# KiCad board sensorboard.kicad_pcb (continued)
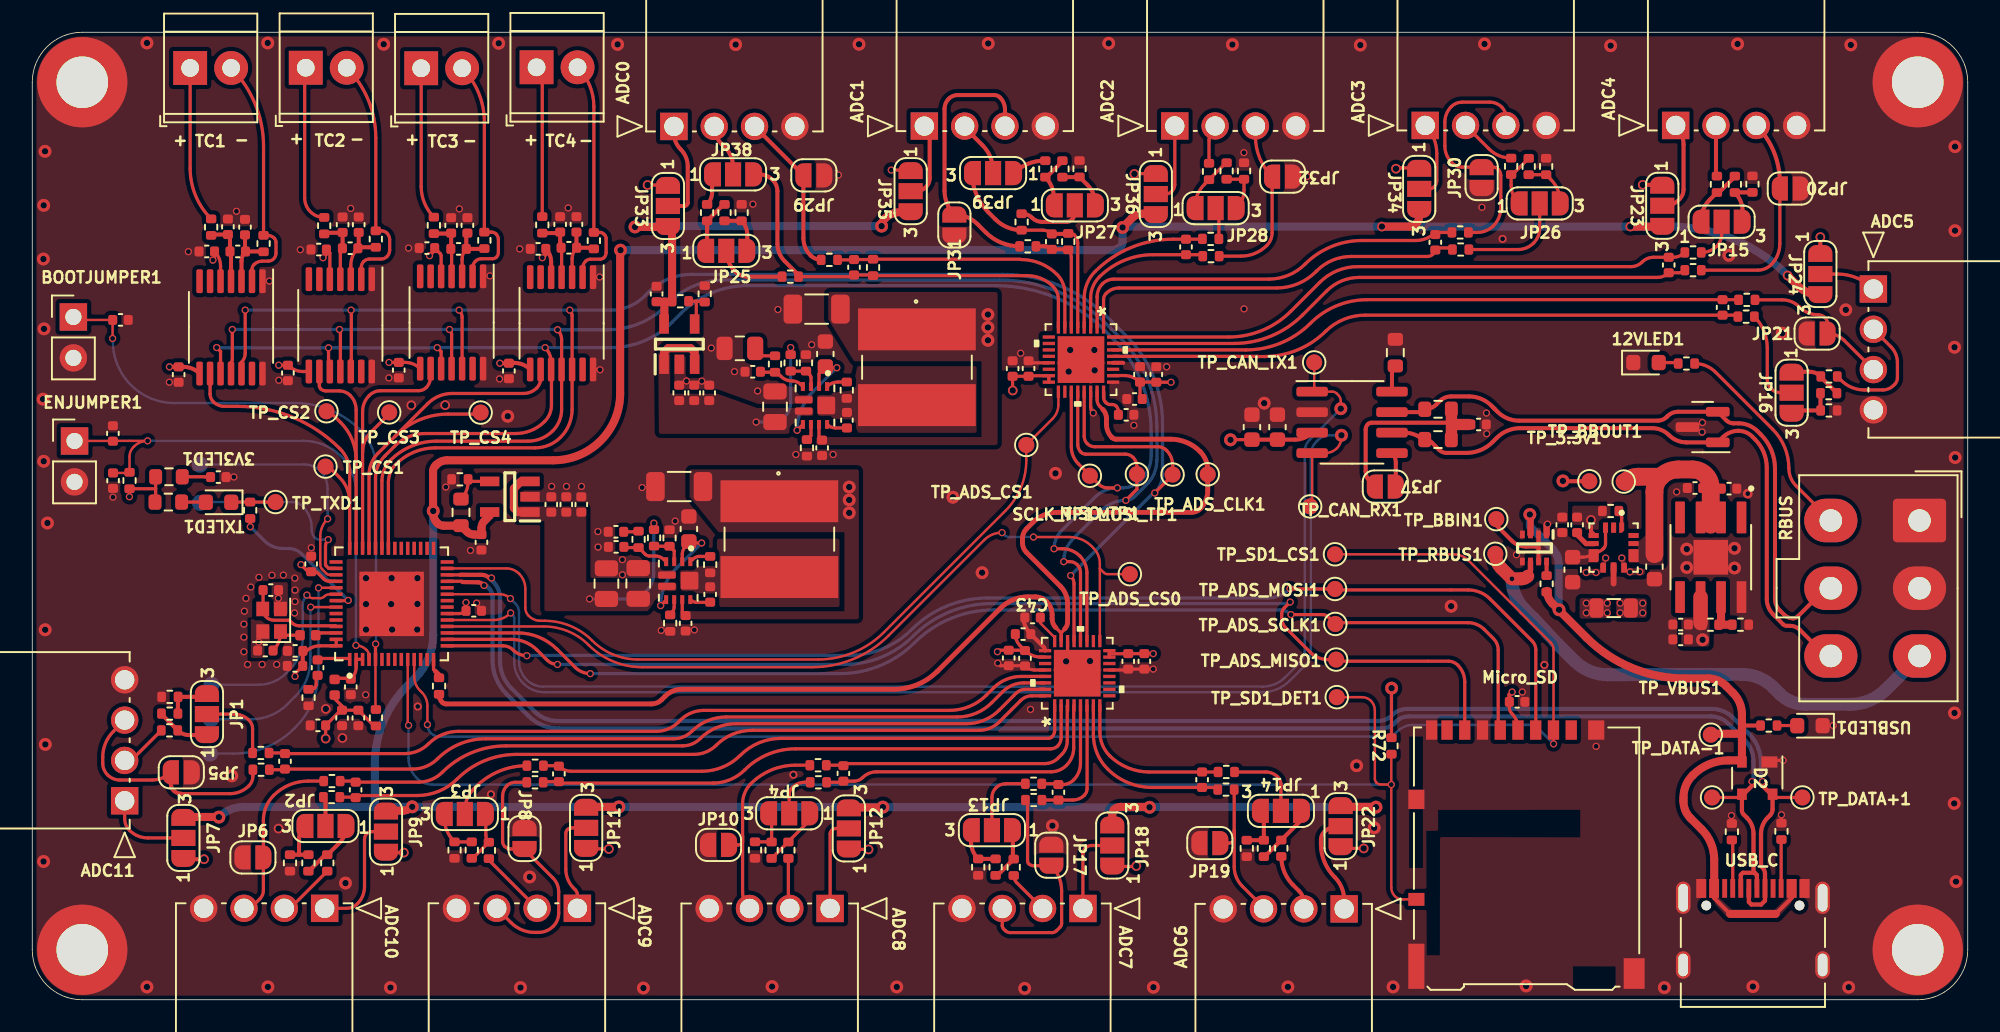
[diagram p0: board, top side]
## Library data of the parts
3V3LED1 12VLED1 TXLED1 USBLED1 = -: Description: Light emitting diode, small symbol
BOOTJUMPER1 ENJUMPER1 = -: Description: Generic connector, single row, 01x02, script generated (kicad-library-utils/schlib/autogen/connector/)
C1-C59 C61-C93 = -: Description: Unpolarized capacitor, small symbol
C60 = -: Description: Unpolarized capacitor
D2 = -: Description: TVS Diode Array, 5.5V Standoff, 3 Channels, SOT-143 package
D3 = -: Description: 7V/12V, 600W Asymmetrical TVS Diode Array, SOT-23
H1-H4 = -: Description: Mounting Hole with connection
IC1 IC2 = -: Description: LDO Voltage Regulators LDO CMOS LowCurr; Height: 1.45; Manufacturer_Name: Diodes Inc.; Mouser Part Number: 621-AP2205-W5-7; Mouser Price/Stock: https://www.mouser.co.uk/ProductDetail/Diodes-Incorporated/AP2205-W5-7?qs=EBDBlbfErPxiadLvD5FZyQ%3D%3D
IC3 IC4 = -: Description: 12.6-V, 7-A Fully-Integrated Synchronous Boost Converters in 2.0-mm x 2.5-mm VQFN Package; Arrow Price/Stock: https://www.arrow.com/en/products/tps61089rnrr/texas-instruments?region=nac; Manufacturer_Name: Texas Instruments; Mouser Part Number: 595-TPS61089RNRR; Mouser Price/Stock: https://www.mouser.co.uk/ProductDetail/Texas-Instruments/TPS61089RNRR?qs=G55MHhPmvtI%2Ft%2FkJeUeP3Q%3D%3D
J1 = -: Description: Generic connector, single row, 01x06, script generated (kicad-library-utils/schlib/autogen/connector/)
J3 = -: Field4: TIN_PLATING_BLACK_COLOUR; Field5: *; Field6: HDR_OF_NANOFIT,_SR,_R/A,_PWR_CONN_-4_CKT; Field7: 1053131104; Field8: NOTE; Field9: *
J4 = -: Field4: 1053131104; Field5: TIN_PLATING_BLACK_COLOUR; Field6: HDR_OF_NANOFIT,_SR,_R/A,_PWR_CONN_-4_CKT; Field7: *; Field8: Copyright 2021 Accelerated Designs. All rights reserved.; Field9: *
J5 = -: Field4: 1053131104; Field5: *; Field6: HDR_OF_NANOFIT,_SR,_R/A,_PWR_CONN_-4_CKT; Field7: TIN_PLATING_BLACK_COLOUR; Field8: Copyright 2021 Accelerated Designs. All rights reserved.; Field9: 1053131104; Field10: *
J6 = -: Field4: HDR_OF_NANOFIT,_SR,_R/A,_PWR_CONN_-4_CKT; Field5: *; Field6: TIN_PLATING_BLACK_COLOUR; Field7: 1053131104; Field8: Copyright 2021 Accelerated Designs. All rights reserved.; Field9: *; Field10: 1053131104
J7 = -: Field4: *; Field5: TIN_PLATING_BLACK_COLOUR; Field6: 1053131104; Field7: HDR_OF_NANOFIT,_SR,_R/A,_PWR_CONN_-4_CKT; Field8: Copyright 2021 Accelerated Designs. All rights reserved.; Field9: *; Field10: 1053131104
J8 = -: Field4: HDR_OF_NANOFIT,_SR,_R/A,_PWR_CONN_-4_CKT; Field5: TIN_PLATING_BLACK_COLOUR; Field6: *; Field7: 1053131104; Field8: Copyright 2021 Accelerated Designs. All rights reserved.; Field9: *; Field10: 1053131104
J9 = -: Field4: HDR_OF_NANOFIT,_SR,_R/A,_PWR_CONN_-4_CKT; Field5: 1053131104; Field6: TIN_PLATING_BLACK_COLOUR; Field7: *; Field8: Copyright 2021 Accelerated Designs. All rights reserved.; Field9: 1053131104; Field10: *
J10 = -: Field4: HDR_OF_NANOFIT,_SR,_R/A,_PWR_CONN_-4_CKT; Field5: *; Field6: TIN_PLATING_BLACK_COLOUR; Field7: 1053131104; Field8: Copyright 2021 Accelerated Designs. All rights reserved.; Field9: 1053131104; Field10: *
J11 = -: Field4: HDR_OF_NANOFIT,_SR,_R/A,_PWR_CONN_-4_CKT; Field5: 1053131104; Field6: TIN_PLATING_BLACK_COLOUR; Field7: *; Field8: *
J12 = -: Field4: HDR_OF_NANOFIT,_SR,_R/A,_PWR_CONN_-4_CKT; Field5: 1053131104; Field6: *; Field7: TIN_PLATING_BLACK_COLOUR; Field8: Copyright 2021 Accelerated Designs. All rights reserved.; Field9: *; Field10: 1053131104
J13 = -: Field4: 1053131104; Field5: *; Field6: HDR_OF_NANOFIT,_SR,_R/A,_PWR_CONN_-4_CKT; Field7: TIN_PLATING_BLACK_COLOUR; Field8: Copyright 2021 Accelerated Designs. All rights reserved.; Field9: *; Field10: 1053131104
J14 = -: Field4: *; Field5: 1053131104; Field6: TIN_PLATING_BLACK_COLOUR; Field7: HDR_OF_NANOFIT,_SR,_R/A,_PWR_CONN_-4_CKT; Field8: Copyright 2021 Accelerated Designs. All rights reserved.; Field9: *; Field10: 1053131104
J15 = -: Description: USB 2.0-only Type-C Receptacle connector
J16 = -: Description: Micro SD Card Socket with card detection pins
JP1-JP4 JP7 JP9 JP11-JP16 JP18 JP22-JP28 JP33-JP36 JP38 JP39 = -: Description: Solder Jumper, 3-pole, open
JP5 JP6 JP8 JP10 JP17 JP19-JP21 JP29-JP32 JP37 = -: Description: Solder Jumper, 2-pole, open
L1-L3 = -: Description: Inductor
L4 L5 = -: Description: BOURNS - SRR6038-5R0Y - INDUCTOR, SHIELDED, 5UH, 2.95A, SMD, FULL REEL; Arrow Price/Stock: https://www.arrow.com/en/products/srr6038-5r0y/bourns?region=nac; Manufacturer_Name: Bourns; Mouser Part Number: 652-SRR6038-5R0Y; Mouser Price/Stock: https://www.mouser.co.uk/ProductDetail/Bourns/SRR6038-5R0Y?qs=s%252BX%2FYkvGCpEfKc4OEBpucw%3D%3D
MISO_TP1 MOSI_TP1 SCLK_TP1 TP_3.3v1 TP_ADS_CLK1 TP_ADS_CS0 TP_ADS_CS1 TP_ADS_MISO1 TP_ADS_MOSI1 TP_ADS_SCLK1 TP_BBIN1 TP_BBOUT1 TP_CAN_RX1 TP_CAN_TX1 TP_CS1-TP_CS4 TP_DATA+1 TP_DATA-1 TP_JTAG_MTCK1 TP_JTAG_MTDI1 TP_JTAG_MTDO1 TP_JTAG_MTMS1 TP_RBUS1 TP_RXD1 TP_SD1_CS1 TP_SD1_DET1 TP_TXD1 TP_VBUS1 = -: Description: test point
R1-R69 R72-R103 = -: Description: Resistor, small symbol
R70 R71 = -: Description: Resistor
U1 = -: Description: ESP32-S3 is a low-power MCU-based system-on-chip (SoC) that supports 2.4 GHz Wi-Fi and Bluetooth® Low Energy (Bluetooth LE). It consists of high-performance dual-core microprocessor (Xtensa® 32-bit LX7), a low power coprocessor, a Wi-Fi baseband, a Bluetooth LE baseband, RF module, and peripherals.
U2-U5 = -: Description: Precision Thermocouple to Digital Converter with Linearization, TSSOP-14
U6 = -: Description: 1.6-V to 5.5-V, 40-m, 2.5-A, low-IQ, dual ideal diode; Arrow Price/Stock: https://www.arrow.com/en/products/lm66200drlr/texas-instruments?region=nac; Height: 0.6; Manufacturer_Name: Texas Instruments; Mouser Part Number: 595-LM66200DRLR; Mouser Price/Stock: https://www.mouser.co.uk/ProductDetail/Texas-Instruments/LM66200DRLR?qs=Rp5uXu7WBW90hnpZAkIOdQ%3D%3D
U7 = -: MANUFACTURER: Maxim Integrated; MAXIMUM_PACKAGE_HEIGHT: 0.6mm; PARTREV: B; STANDARD: Manufacturer Recommended
U9 = -: Field4: 0.114in/2.896mm; Field5: 0.114in/2.896mm; Field6: 0.157in/3.983mm; Field7: 0.016in/0.4mm; Field8: Copyright 2021 Accelerated Designs. All rights reserved.; Field9: 0.157in/3.983mm; Field10: 0.008in/0.204mm; Field11: 0.03in/0.757mm
U10 = -: Field4: 0.114in/2.896mm; Field5: 0.157in/3.983mm; Field6: 0.114in/2.896mm; Field7: 0.03in/0.757mm; Field8: Copyright 2021 Accelerated Designs. All rights reserved.; Field9: 0.157in/3.983mm; Field10: 0.008in/0.204mm; Field11: 0.016in/0.4mm
U13 = -: Description: CAN Bus Transceivers, 3.3V, 1Mbps, Low-Power capabilities, SOIC-8
Y1 = -: Description: Four pin crystal, GND on pins 2 and 4

## Footprints (pads in the part's own frame, mm; a bottom-side part is the same pattern mirrored in y, then rotated)
1053131104
  rect 1.7x1.7 hole 1.2: 1(0,0)
  round 1.7 hole 1.2: 2(-2.5,0) 3(-5,0) 4(-7.5,0)
ADS131M06IRSNR
  rect 0.757x0.204 smd: 1(-1.992,1.4) 2(-1.992,1) 3(-1.992,0.6) 4(-1.992,0.2) 5(-1.992,-0.2) 6(-1.992,-0.6) 7(-1.992,-1) 8(-1.992,-1.4) 17(1.992,-1.4) 18(1.992,-1) 19(1.992,-0.6) 20(1.992,-0.2) 21(1.992,0.2) 22(1.992,0.6) 23(1.992,1) 24(1.992,1.4)
  rect 0.204x0.757 smd: 9(-1.4,-1.992) 10(-1,-1.992) 11(-0.6,-1.992) 12(-0.2,-1.992) 13(0.2,-1.992) 14(0.6,-1.992) 15(1,-1.992) 16(1.4,-1.992) 25(1.4,1.992) 26(1,1.992) 27(0.6,1.992) 28(0.2,1.992) 29(-0.2,1.992) 30(-0.6,1.992) 31(-1,1.992) 32(-1.4,1.992)
  rect 2.896x2.896 smd: 33(0,0)
C_0402_1005Metric
  rrect 0.56x0.62 smd: 1(-0.48,0) 2(0.48,0)
C_0603_1608Metric
  rrect 0.9x0.95 smd: 1(-0.775,0) 2(0.775,0)
C_0805_2012Metric
  rrect 1x1.45 smd: 1(-0.95,0) 2(0.95,0)
C_1206_3216Metric
  rrect 1.15x1.8 smd: 1(-1.475,0) 2(1.475,0)
CONV_MAX77827AEFD+T
  custom 0.635x0.31 smd: 1(-1.3,0.5) 2(-1.3,0) 3(-1.3,-0.5)
  custom 0.31x0.635 smd: 4(-0.8,-1.2) 5(-0.3,-1.2) 13(-0.3,1.3) 14(-0.8,1.3)
  custom 0.81x0.635 smd: 6(0.3,-1.2) 11(0.5,1.3)
  custom 0.635x0.36 smd: 8(1.1,-0.6) 9(1.1,0) 10(1.1,0.7)
Crystal_SMD_2016-4Pin_2.0x1.6mm
  rect 0.9x0.8 smd: 1(-0.7,-0.55) 2(0.7,-0.55) 3(0.7,0.55) 4(-0.7,0.55)
IC_TPS61089RNRR
  rrect 0.55x0.25 smd: 1(-1.175,0.75) 2(-1.175,0.25) 3(-1.175,-0.25) 4(-1.175,-0.75) 7(1.175,-0.75) 8(1.175,-0.25) 9(1.175,0.25) 10(1.175,0.75)
  rrect 0.45x1.1 smd: 5(-0.35,-0.7) 6(0.35,-0.7)
  rrect 1.1x1.1 smd: 11(0,0.7)
L_0402_1005Metric
  rrect 0.59x0.64 smd: 1(-0.485,0) 2(0.485,0)
L_0805_2012Metric
  rrect 0.875x1.2 smd: 1(-1.062,0) 2(1.062,0)
LED_0603_1608Metric
  rrect 0.875x0.95 smd: 1(-0.787,0) 2(0.787,0)
microSD_HC_Hirose_DM3AT-SF-PEJM5
  rect 0.7x1.2 smd: 1(2.775,7.725) 2(1.675,7.725) 3(0.575,7.725) 4(-0.525,7.725) 5(-1.625,7.725) 6(-2.725,7.725) 7(-3.825,7.725) 8(-4.925,7.725) 9(-5.875,7.725)
  rect 1x0.8 smd: 10(-6.825,-2.775)
  rect 1x1.2 smd: 11(-6.825,3.425) 11(4.325,7.725)
  rect 1x2.8 smd: 11(-6.825,-6.925)
  rect 1.3x1.9 smd: 11(6.675,-7.375)
Molex_Mini-Fit_Jr_5566-06A_2x03_P4.20mm_Vertical
  rrect 2.7x3.3 hole 1.4: 1(0,0)
  oval 2.7x3.3 hole 1.4: 2(4.2,0) 3(8.4,0) 4(0,-5.5) 5(4.2,-5.5) 6(8.4,-5.5)
MountingHole_3.2mm_M3_DIN965_Pad
  round 5.6 hole 3.2: 1(0,0)
PinHeader_1x02_P2.54mm_Vertical
  rect 1.7x1.7 hole 1: 1(0,0)
  oval 1.7x1.7 hole 1: 2(0,-2.54)
QFN40P700X700X90-57N
  rrect 0.81x0.22 smd: 1(-3.445,2.6) 2(-3.445,2.2) 3(-3.445,1.8) 4(-3.445,1.4) 5(-3.445,1) 6(-3.445,0.6) 7(-3.445,0.2) 8(-3.445,-0.2) 9(-3.445,-0.6) 10(-3.445,-1) 11(-3.445,-1.4) 12(-3.445,-1.8) 13(-3.445,-2.2) 14(-3.445,-2.6) 29(3.445,-2.6) 30(3.445,-2.2) 31(3.445,-1.8) 32(3.445,-1.4) 33(3.445,-1) 34(3.445,-0.6) 35(3.445,-0.2) 36(3.445,0.2) 37(3.445,0.6) 38(3.445,1) 39(3.445,1.4) 40(3.445,1.8) 41(3.445,2.2) 42(3.445,2.6)
  rrect 0.22x0.81 smd: 15(-2.6,-3.445) 16(-2.2,-3.445) 17(-1.8,-3.445) 18(-1.4,-3.445) 19(-1,-3.445) 20(-0.6,-3.445) 21(-0.2,-3.445) 22(0.2,-3.445) 23(0.6,-3.445) 24(1,-3.445) 25(1.4,-3.445) 26(1.8,-3.445) 27(2.2,-3.445) 28(2.6,-3.445) 43(2.6,3.445) 44(2.2,3.445) 45(1.8,3.445) 46(1.4,3.445) 47(1,3.445) 48(0.6,3.445) 49(0.2,3.445) 50(-0.2,3.445) 51(-0.6,3.445) 52(-1,3.445) 53(-1.4,3.445) 54(-1.8,3.445) 55(-2.2,3.445) 56(-2.6,3.445)
  rect 4x4 smd: 57(0,0)
R_0402_1005Metric
  rrect 0.54x0.64 smd: 1(-0.51,0) 2(0.51,0)
R_0603_1608Metric
  rrect 0.8x0.95 smd: 1(-0.825,0) 2(0.825,0)
SOIC127P599X175-9N
  rrect 1.97x0.6 smd: 1(-2.47,1.905) 2(-2.47,0.635) 3(-2.47,-0.635) 4(-2.47,-1.905) 5(2.47,-1.905) 6(2.47,-0.635) 7(2.47,0.635) 8(2.47,1.905)
  rect 2.15x2.15 smd: 9(0,0)
SOIC-8_3.9x4.9mm_P1.27mm
  rrect 1.95x0.6 smd: 1(-2.475,1.905) 2(-2.475,0.635) 3(-2.475,-0.635) 4(-2.475,-1.905) 5(2.475,-1.905) 6(2.475,-0.635) 7(2.475,0.635) 8(2.475,1.905)
SolderJumper-2_P1.3mm_Open_RoundedPad1.0x1.5mm
  custom 1x1.5 smd: 1(-0.65,0) 2(0.65,0)
SolderJumper-3_P1.3mm_Open_RoundedPad1.0x1.5mm_NumberLabels
  custom 1.05x1.5 smd: 1(-1.3,0) 3(1.3,0)
  rect 1x1.5 smd: 2(0,0)
SOT95P282X145-5N
  rect 1.2x0.6 smd: 1(-1.25,0.95) 2(-1.25,0) 3(-1.25,-0.95) 4(1.25,-0.95) 5(1.25,0.95)
SOT-23
  rrect 1.475x0.6 smd: 1(-0.938,0.95) 2(-0.938,-0.95) 3(0.938,0)
SOT-143
  rect 0.7x1 smd: 1(-1,0.75)
  rect 0.7x0.6 smd: 2(-1,-0.95) 3(1,-0.95) 4(1,0.95)
SOTFL50P160X60-8N
  rect 0.475x0.3 smd: 1(-0.838,0.75) 2(-0.838,0.25) 3(-0.838,-0.25) 4(-0.838,-0.75) 5(0.838,-0.75) 6(0.838,-0.25) 7(0.838,0.25) 8(0.838,0.75)
SRR6038
  rect 7.3x2.6 smd: 1(0,2.35) 2(0,-2.35)
TerminalBlock_TE_282834-2_1x02_P2.54mm_Horizontal
  rect 2.1x2.1 hole 1.1: 1(0,0)
  round 2.1 hole 1.1: 2(2.54,0)
TestPoint_Pad_D1.0mm
  round 1 smd: 1(0,0)
TSSOP-14_4.4x5mm_P0.65mm
  rrect 1.475x0.4 smd: 1(-2.862,1.95) 2(-2.862,1.3) 3(-2.862,0.65) 4(-2.862,0) 5(-2.862,-0.65) 6(-2.862,-1.3) 7(-2.862,-1.95) 8(2.862,-1.95) 9(2.862,-1.3) 10(2.862,-0.65) 11(2.862,0) 12(2.862,0.65) 13(2.862,1.3) 14(2.862,1.95)
USB_C_Receptacle_Palconn_UTC16-G
  round 0.6 hole 0.6 unplated: (-2.89,1.45) (2.89,1.45)
  rect 0.6x1.16 smd: A1(-3.2,2.51) A4(-2.4,2.51) A9(2.4,2.51) A12(3.2,2.51) B1(3.2,2.51) B4(2.4,2.51) B9(-2.4,2.51) B12(-3.2,2.51)
  rect 0.3x1.16 smd: A5(-1.25,2.51) A6(-0.25,2.51) A7(0.25,2.51) A8(1.25,2.51) B5(1.75,2.51) B6(0.75,2.51) B7(-0.75,2.51) B8(-1.75,2.51)
  oval 0.9x2 hole 0.6x1.7: S1(-4.32,1.93) S1(4.32,1.93)
  oval 0.9x1.7 hole 0.6x1.4: S1(-4.32,-2.24) S1(4.32,-2.24)

## Nets
+3V3: C1.1 C3.1 C4.1 C7.1 C8.1 C9.1 C10.1 C18.2 C22.2 C26.2 C30.2 C37.2 C38.2 C39.2 C40.2 C41.1 C42.1 C45.1 C46.1 C47.1 C48.1 C49.1 C50.1 C51.1 C52.1 C58.1 C59.1 C61.2 C62.2 C85.2 C86.2 C90.1 C92.1 C93.1 IC3.9 IC4.9 J16.4 JP7.1 JP9.1 JP11.1 JP12.1 JP18.1 JP22.1 JP23.1 JP24.1 JP33.1 JP34.1 JP35.1 JP36.1 L1.1 L4.1 L5.1 R1.1 R2.2 R3.1 R7.1 R18.1 R72.1 TP_3.3v1.1 U1.20 U1.46 U1.55 U1.56 U2.5 U2.8 U3.5 U3.8 U4.5 U4.8 U5.5 U5.8 U8.6 U9.15 U9.16 U9.26 U10.15 U10.16 U10.26 U13.3
+5V: C75.1 IC1.5 JP7.3 JP9.3 JP11.3 JP12.3 JP18.3 JP22.3 JP23.3 JP24.3 JP34.3 JP36.3 R97.2
+10V: C80.1 IC2.5 JP33.3 JP35.3 R101.2
+12V: J1.4 R5.1
GND: 3V3LED1.1 12VLED1.1 BOOTJUMPER1.2 C1.2 C2.2 C3.2 C4.2 C5.2 C6.2 C7.2 C8.2 C9.2 C10.2 C12.2 C13.2 C14.2 C15.1 C17.2 C18.1 C19.1 C21.2 C22.1 C23.1 C25.2 C26.1 C27.1 C29.2 C30.1 C31.2 C32.2 C33.2 C34.2 C35.2 C36.2 C37.1 C38.1 C39.1 C40.1 C41.2 C42.2 C43.2 C44.2 C45.2 C46.2 C47.2 C48.2 C49.2 C50.2 C51.2 C52.2 C53.2 C54.2 C55.2 C56.2 C57.2 C58.2 C59.2 C60.2 C61.1 C62.1 C75.2 C76.2 C77.2 C78.2 C79.2 C80.2 C81.2 C82.2 C83.2 C84.2 C85.1 C86.1 C88.2 C89.2 C90.2 C92.2 C93.2 D2.1 D3.3 ENJUMPER1.2 H1.1 H2.1 H3.1 H4.1 IC1.2 IC2.2 IC3.5 IC4.5 J1.1 J1.2 J3.4 J4.4 J5.4 J6.4 J7.4 J8.4 J9.4 J10.4 J11.4 J12.4 J13.4 J14.4 J15.A1 J15.A12 J15.B1 J15.B12 J15.S1 J16.6 J16.9 J16.11 JP5.1 JP6.1 JP8.1 JP10.1 JP17.1 JP19.1 JP20.1 JP21.1 JP29.1 JP30.1 JP31.1 JP32.1 R4.1 R17.2 R19.2 R23.2 R25.2 R27.2 R30.2 R35.2 R38.2 R40.2 R42.2 R47.2 R49.2 R51.2 R53.2 R59.1 R62.1 R66.2 R67.1 R69.2 R98.1 R99.1 R100.1 R102.1 U1.57 U2.1 U2.14 U3.1 U3.14 U4.1 U4.14 U5.1 U5.14 U6.1 U6.4 U6.5 U7.4 U7.9 U8.8 U8.9 U9.13 U9.22 U9.25 U9.28 U9.33 U10.13 U10.22 U10.25 U10.28 U10.33 U13.2 USBLED1.1 Y1.2 Y1.4
VBUS: D2.2 J15.A4 J15.A9 J15.B4 J15.B9 R16.1 R68.1 TP_VBUS1.1 U6.3
/ADS_CLK: R20.2 TP_ADS_CLK1.1 U9.23 U10.23
/ADS_CS0: TP_ADS_CS0.1 U1.18 U9.17
/ADS_CS1: TP_ADS_CS1.1 U1.27 U10.17
/analogueSPI/AIN0N: C63.2 R77.2 U9.30
/analogueSPI/AIN0P: C63.1 R73.2 U9.29
/analogueSPI/AIN1N: C64.2 R78.2 U9.31
/analogueSPI/AIN1P: C64.1 R74.2 U9.32
/analogueSPI/AIN2N: C65.2 R79.2 U9.2
/analogueSPI/AIN2P: C65.1 R75.2 U9.1
/analogueSPI/AIN3N: C66.2 R80.2 U9.3
/analogueSPI/AIN3P: C66.1 R76.2 U9.4
/analogueSPI/AIN4N: C67.2 R85.2 U9.6
/analogueSPI/AIN4P: C67.1 R81.2 U9.5
/analogueSPI/AIN5N: C68.2 R86.2 U9.7
/analogueSPI/AIN5P: C68.1 R82.2 U9.8
/analogueSPI/AIN6N: C70.2 R88.2 U10.30
/analogueSPI/AIN6P: C70.1 R84.2 U10.29
/analogueSPI/AIN7N: C69.2 R87.2 U10.31
/analogueSPI/AIN7P: C69.1 R83.2 U10.32
/analogueSPI/AIN8N: C72.2 R94.2 U10.2
/analogueSPI/AIN8P: C72.1 R90.2 U10.1
/analogueSPI/AIN9N: C74.2 R96.2 U10.3
/analogueSPI/AIN9P: C74.1 R92.2 U10.4
/analogueSPI/AIN10N: C73.2 R61.2 R95.2 U10.6
/analogueSPI/AIN10P: C73.1 JP39.3 R61.1 R91.2 U10.5
/analogueSPI/AIN11N: C71.2 R60.2 R93.2 U10.7
/analogueSPI/AIN11P: C71.1 JP38.3 R60.1 R89.2 U10.8
/Boosts/FB_5V: IC3.3 R58.1 R59.2
/Boosts/FB_10V: IC4.3 R65.1 R99.2
/Boosts/LDO5.5V_IN: C54.1 C76.1 C81.1 C82.1 C88.1 IC1.1 IC1.3 IC3.6 R58.2
/Boosts/LDO11V_IN: C78.1 C83.1 C84.1 C89.1 IC2.1 IC2.3 IC4.6 R65.2
/Boosts/SW_5V: IC3.1 R63.1
/Boosts/SW_10V: IC4.1 R103.1
/BOOT: BOOTJUMPER1.1 C12.1 R7.2 U1.5
/CAN+: D3.2 J1.5 R70.1 U13.7
/CAN-: D3.1 J1.6 R71.2 U13.6
/CAN-BUS/Vref: JP37.1 U13.5
/CAN_RX: TP_CAN_RX1.1 U1.19 U13.4
/CAN_TX: TP_CAN_TX1.1 U1.23 U13.1
/CHIP_PU: C2.1 C6.1 ENJUMPER1.1 R3.2 U1.4
/CS0: TP_CS1.1 U1.42 U4.9
/CS1: TP_CS2.1 U1.41 U2.9
/CS2: TP_CS3.1 U1.40 U3.9
/CS3: TP_CS4.1 U1.39 U5.9
/Data+: D2.4 J15.A6 J15.B6 TP_DATA+1.1 U1.26
/Data-: D2.3 J15.A7 J15.B7 TP_DATA-1.1 U1.25
/MISO: MISO_TP1.1 U1.37 U2.11 U3.11 U4.11 U5.11 U9.20 U10.20
/MOSI: MOSI_TP1.1 U1.36 U2.12 U3.12 U4.12 U5.12 U9.21 U10.21
/Power/BBIN: C31.1 C32.1 TP_BBIN1.1 U6.2 U6.7 U7.3 U7.6
/Power/BBOUT: C34.1 C35.1 C36.1 TP_BBOUT1.1 U7.11 U7.13 U8.2 U8.3
/Power/BIAS: C33.1 U7.5
/Power/FBIn: R18.2 R19.1 U8.7
/Power/LX1: L3.1 U7.8
/Power/LX2: L3.2 U7.10
/Power/SEL: R17.1 U7.1
/SCLK: SCLK_TP1.1 U1.38 U2.10 U3.10 U4.10 U5.10 U9.19 U10.19
/SD1_CS: J16.2 TP_SD1_CS1.1 U1.11
/SD1_DET: J16.10 R72.2 TP_SD1_DET1.1 U1.10
/SD_MISO: J16.7 TP_ADS_MISO1.1 U1.16
/SD_MOSI: J16.3 TP_ADS_MOSI1.1 U1.15
/SD_SCLK: J16.5 TP_ADS_SCLK1.1 U1.17
/thermocouple0/DRDY: U2.7
/thermocouple0/FAULT: U2.13
/thermocouple1/DRDY: U3.7
/thermocouple1/FAULT: U3.13
/thermocouple2/DRDY: U5.7
/thermocouple2/FAULT: U5.13
/thermocouple3/DRDY: U4.7
/thermocouple3/FAULT: U4.13
/TXD: R6.1 TP_TXD1.1 TXLED1.1
RBUS_uC_V: J1.3 TP_RBUS1.1 U6.6
Net-(3V3LED1-A): 3V3LED1.2 R2.1
Net-(12VLED1-A): 12VLED1.2 R5.2
Net-(C5-Pad1): C5.1 L1.2 U1.2 U1.3
Net-(C11-Pad1): C11.1 R4.2
Net-(C14-Pad1): C14.1 L2.2 Y1.1
Net-(C57-Pad1): C57.1 R64.2
Net-(C79-Pad1): C79.1 R21.2
Net-(IC1-ADJ/NC): IC1.4 R97.1 R98.2
Net-(IC2-ADJ/NC): IC2.4 R101.1 R102.2
Net-(IC3-BOOT): C87.1 IC3.10
Net-(IC3-COMP): C77.1 IC3.4 R21.1
Net-(IC3-EN): C53.1 IC3.2 IC3.7
Net-(IC3-ILIM): IC3.8 R62.2
Net-(IC3-SW): C87.2 IC3.11 L4.2 R63.2
Net-(IC4-BOOT): C91.1 IC4.10
Net-(IC4-COMP): C56.1 IC4.4 R64.1
Net-(IC4-EN): C55.1 IC4.2 IC4.7
Net-(IC4-ILIM): IC4.8 R100.2
Net-(IC4-SW): C91.2 IC4.11 L5.2 R103.2
Net-(J3-Pad2): J3.2 R28.2
Net-(J4-Pad2): J4.2 R31.2
Net-(J5-Pad2): J5.2 R32.2
Net-(J6-Pad2): J6.2 R33.2
Net-(J7-Pad2): J7.2 R36.2
Net-(J8-Pad2): J8.2 R43.2
Net-(J9-Pad2): J9.2 R44.2
Net-(J10-Pad2): J10.2 R45.2
Net-(J12-Pad2): J12.2 R55.2
Net-(J14-Pad2): J14.2 R57.2
Net-(J15-CC1): J15.A5 R66.1
Net-(J15-CC2): J15.B5 R67.2
Net-(JP1-A): JP1.1 R22.1 R28.1
Net-(JP1-B): JP1.3 R22.2 R23.1
Net-(JP1-C): JP1.2 R73.1
Net-(JP2-A): JP2.1 R24.1 R31.1
Net-(JP2-B): JP2.3 R24.2 R25.1
Net-(JP2-C): JP2.2 R74.1
Net-(JP3-A): JP3.1 R26.1 R32.1
Net-(JP3-B): JP3.3 R26.2 R27.1
Net-(JP3-C): JP3.2 R75.1
Net-(JP4-A): JP4.1 R29.1 R33.1
Net-(JP4-B): JP4.3 R29.2 R30.1
Net-(JP4-C): JP4.2 R76.1
Net-(JP5-B): J3.3 JP5.2 R77.1
Net-(JP6-B): J4.3 JP6.2 R78.1
Net-(JP7-C): J3.1 JP7.2
Net-(JP8-B): J5.3 JP8.2 R79.1
Net-(JP9-C): J4.1 JP9.2
Net-(JP10-B): J6.3 JP10.2 R80.1
Net-(JP11-C): J5.1 JP11.2
Net-(JP12-C): J6.1 JP12.2
Net-(JP13-A): JP13.1 R34.1 R36.1
Net-(JP13-B): JP13.3 R34.2 R35.1
Net-(JP13-C): JP13.2 R81.1
Net-(JP14-A): JP14.1 R37.1 R43.1
Net-(JP14-B): JP14.3 R37.2 R38.1
Net-(JP14-C): JP14.2 R82.1
Net-(JP15-A): JP15.1 R39.1 R44.1
Net-(JP15-B): JP15.3 R39.2 R40.1
Net-(JP15-C): JP15.2 R83.1
Net-(JP16-A): JP16.1 R41.1 R45.1
Net-(JP16-B): JP16.3 R41.2 R42.1
Net-(JP16-C): JP16.2 R84.1
Net-(JP17-B): J7.3 JP17.2 R85.1
Net-(JP18-C): J7.1 JP18.2
Net-(JP19-B): J8.3 JP19.2 R86.1
Net-(JP20-B): J9.3 JP20.2 R87.1
Net-(JP21-B): J10.3 JP21.2 R88.1
Net-(JP22-C): J8.1 JP22.2
Net-(JP23-C): J9.1 JP23.2
Net-(JP24-C): J10.1 JP24.2
Net-(JP25-A): JP25.1 R46.1 R54.1
Net-(JP25-B): JP25.3 R46.2 R47.1
Net-(JP25-C): JP25.2 R89.1
Net-(JP26-A): JP26.1 R48.1 R55.1
Net-(JP26-B): JP26.3 R48.2 R49.1
Net-(JP26-C): JP26.2 R90.1
Net-(JP27-A): JP27.1 R50.1 R56.1
Net-(JP27-B): JP27.3 R50.2 R51.1
Net-(JP27-C): JP27.2 R91.1
Net-(JP28-A): JP28.1 R52.1 R57.1
Net-(JP28-B): JP28.3 R52.2 R53.1
Net-(JP28-C): JP28.2 R92.1
Net-(JP29-B): J11.3 JP29.2 R93.1
Net-(JP30-B): J12.3 JP30.2 R94.1
Net-(JP31-B): J13.3 JP31.2 R95.1
Net-(JP32-B): J14.3 JP32.2 R96.1
Net-(JP33-C): J11.1 JP33.2
Net-(JP34-C): J12.1 JP34.2
Net-(JP35-C): J13.1 JP35.2
Net-(JP36-C): J14.1 JP36.2
Net-(JP37-B): C60.1 JP37.2 R70.2 R71.1
Net-(JP38-A): JP38.1 R54.2
Net-(JP38-C): J11.2 JP38.2
Net-(JP39-A): JP39.1 R56.2
Net-(JP39-C): J13.2 JP39.2
Net-(TC1-+): R12.2 TC1.1
Net-(TC1--): R13.1 TC1.2 U4.2
Net-(TC2-+): R8.2 TC2.1
Net-(TC2--): R9.1 TC2.2 U2.2
Net-(TC3-+): R10.2 TC3.1
Net-(TC3--): R11.1 TC3.2 U3.2
Net-(TC4-+): R14.2 TC4.1
Net-(TC4--): R15.1 TC4.2 U5.2
Net-(TXLED1-A): R1.2 TXLED1.2
Net-(U1-GPIO9/ADC1_CH8): R20.1 U1.14
Net-(U1-LNA_IN/RF): C11.2 U1.1
Net-(U1-MTCK/JTAG/GPIO39): TP_JTAG_MTCK1.1 U1.44
Net-(U1-MTDI/JTAG/GPIO41): TP_JTAG_MTDI1.1 U1.47
Net-(U1-MTDO/JTAG/GPIO40): TP_JTAG_MTDO1.1 U1.45
Net-(U1-MTMS/JTAG/GPIO42): TP_JTAG_MTMS1.1 U1.48
Net-(U1-U0RXD/PROG/GPIO44): TP_RXD1.1 U1.50
Net-(U1-U0TXD/PROG/GPIO43): R6.2 U1.49
Net-(U1-XTAL_N): C13.1 U1.53 Y1.3
Net-(U1-XTAL_P): L2.1 U1.54
Net-(U2-T+): C15.2 C16.1 R8.1 U2.4
Net-(U2-T-): C16.2 C17.1 R9.2 U2.3
Net-(U3-T+): C19.2 C20.1 R10.1 U3.4
Net-(U3-T-): C20.2 C21.1 R11.2 U3.3
Net-(U4-T+): C23.2 C24.1 R12.1 U4.4
Net-(U4-T-): C24.2 C25.1 R13.2 U4.3
Net-(U5-T+): C27.2 C28.1 R14.1 U5.4
Net-(U5-T-): C28.2 C29.1 R15.2 U5.3
Net-(U6-ST): R16.2 U6.8
Net-(U9-CAP): C43.1 U9.24
Net-(U10-CAP): C44.1 U10.24
Net-(U13-Rs): R69.1 U13.8
Net-(USBLED1-A): R68.2 USBLED1.2

Pads without a net: J15 A8 B8; J16 1 8; U1 6 7 8 9 12 13 21 22 24 28 29 30 31 32 33 34 35 43 51 52; U2 6; U3 6; U4 6; U5 6; U7 2 14; U8 1 4 5; U9 9 10 11 12 14 18 27; U10 9 10 11 12 14 18 27

## Via types
v1: diameter 0.45, hole 0.3, Top to Bottom, 173 vias
v2: diameter 0.6, hole 0.4, Top to Bottom, 22 vias
v3: diameter 0.8, hole 0.4, Top to Bottom, 106 vias
v4: diameter 0.5, hole 0.3, Top to Bottom, 6 vias
v5: diameter 0.6, hole 0.3, Top to Bottom, 1 via

## Routing (per net, layer and track width the routed paths; a pad name or vN(x,y) marks a point on that pad's centre or on a via; arc(x,y) is an arc through that point)
+3V3: length 84.1
  Top w0.2: JP34.1 84.86,51.59 arc(84.81,51.58) 84.76,51.58 84.59,51.58 v2(84.55,51.54) ; v1(26.89,24.64) 26.89,24.61 26.89,24.6 C9.1 arc(26.71,23.99) 26.48,23.95 25.72,23.95 ; JP11.1 35.74,9.36 v2(35.75,9.35) ; v1(16.29,20.05) 16.29,20.23 C7.1 ; 67.01,38.71 67.7,38.71 arc(68.23,38.61) C48.1 ; C48.1 69.67,38.31 ; C48.1 68.68,37.4 C42.1 ; 66.78,21.46 U9.15 U9.16 66.78,21.46 ; 66.78,21.46 67.89,21.46 arc(67.92,21.46) 67.94,21.48 ; v1(69.5,21.47) C45.1 C39.2 ; C50.1 v1(70.6,38.3) ; U4.5 11.67,45.5 arc(11.58,45.99) C26.2 11.3,45.97 v1(11.2,45.87) ; U2.8 16.79,38.96 arc(16.28,39.06) C61.2 v1(15.28,39.35) ; C92.1 48.78,34.9 IC4.9 ; R2.2 7.65,31.71 ; 7.65,31.71 7.65,30.96 arc(7.64,30.91) R1.1 ; 7.65,31.71 7.63,31.69 R3.1 6.03,31.2 v1(6.03,31.2) ; C46.1 61.25,21.96 arc(61.03,22.29) C41.1 ; C46.1 arc(61.53,21.67) 61.5,21.68 C49.1 59.93,21.68 v1(59.84,21.59) ; C46.1 arc(62,21.36) 62.53,21.25 U9.26 ; U3.5 25.35,46.13 arc(25.33,46.21) 25.29,46.27 C22.2 24.95,46.47 v1(24.63,46.15) ; v2(51.85,9.32) JP12.1 ; L1.1 18.75,18.67 19.21,18.21 C3.1 ; C59.1 74.31,34.74 arc(74.3,34.73) v3(74.29,34.73) ; v1(18.03,46.02) 18.24,46.24 C18.2 18.45,46.32 U2.5 ; JP18.1 68.42,8.27 v2(68.45,8.3) ; C3.1 C4.1 21.12,17.06 arc(21.21,17) R7.1 ; C3.1 arc(19.14,17.94) 19.08,17.9 C1.1 v2(18.19,16.2) ; v1(16.66,26.99) 17.1,26.55 C10.1 17.54,26.55 arc(17.61,26.53) 17.68,26.49 18.06,26.1 arc(18.23,25.99) 18.43,25.95 U1.46 ; C90.1 91.58,18.12 arc(91.62,17.92) 91.73,17.75 arc(92.02,17.33) 92.11,16.83 ; v1(53.26,51.46) JP35.1 ; 18.84,22.35 18.84,21.95 17.84,21.95 arc(17.41,21.87) 17.02,21.65 17.01,21.64 C8.1 ; R72.1 84.27,19.3 arc(84.27,19.31) v3(84.28,19.33) ; v1(22.12,39.53) C62.2 23.11,39.53 arc(23.62,39.42) U3.8 ; v2(38.15,50.53) JP33.1 ; v2(82.55,9.39) 82.55,9.39 81.26,9.39 arc(81.18,9.42) JP22.1 arc(81.15,9.45) 81.18,9.44 ; IC3.9 40.3,24.04 C51.1 ; v2(23.04,9.13) JP9.1 ; U10.16 U10.15 61.85,38.7 arc(61.81,38.69) C40.2 C47.1 60.78,37.81 arc(60.78,37.8) v2(60.79,37.79) ; JP36.1 arc(69.63,51.24) 69.59,51.24 68.49,51.24 arc(68.45,51.23) 68.41,51.23
  Top w0.25: v2(10.65,8.71) 9.4,8.71 arc(9.39,8.72) JP7.1 ; U5.5 32.17,45.77 arc(32.08,46.2) C30.2 31.84,46.24 v1(31.62,46.02) ; v1(91.75,19.09) 91.58,18.92 C90.1 ; v1(28.99,39.48) C86.2 29.57,39.5 29.89,39.5 arc(30.42,39.39) U5.8 ; C7.1 16.77,21.63 C8.1 ; JP24.1 v2(110.86,47.3) ; 96.73,32.16 94.95,32.16 arc(94.92,32.16) v3(94.9,32.18) ; v1(8.51,39.25) C85.2 9.37,39.25 arc(9.91,39.14) U4.8 ; v2(99.85,50.54) JP23.1 ; U13.3 arc(78.87,34.85) 78.3,34.74 C58.1 75.77,34.74 arc(75.69,34.75) 75.62,34.8
  Top w0.9: U8.6 103.43,23.36
  vias: v2(68.33,51.21) v3(50.65,31.8) v3(50.65,31) v3(50.65,30.2) v3(59.25,42.5) v3(59.25,41.7) v3(59.25,40.9) v3(103.56,22.33)
+5V: length 220.6
  Top w0.5: JP18.3 66.96,11.49 arc(66.99,11.66) 67.09,11.81 arc(67.26,11.92) 67.46,11.96 69.29,11.96 arc(69.28,11.95) 69.27,11.95 ; IC1.5 28.36,30.03 28.04,29.71 arc(27.9,29.5) 27.85,29.25 C75.1 27.38,28.85 arc(27.15,28.9) 26.96,29.02 R97.2 25.51,29.4 arc(25.29,29.44) 25.11,29.57 arc(24.92,29.84) 24.86,30.17 v3(24.86,30.32) 24.86,30.33 arc(24.85,30.34) 24.85,30.35 24.85,32.78 arc(24.89,32.96) 24.99,33.12 25.06,33.19 arc(25.36,33.39) 25.71,33.46 32.31,33.46 arc(35.24,34.67) 36.45,37.6 36.45,46.47 v3(36.47,46.49) ; v2(83.68,47.95) 85.36,47.95 arc(85.6,48) 85.81,48.14 arc(85.94,48.33) 85.99,48.57 JP34.3 ; v3(67.6,47.9) 68.19,48.48 arc(68.48,48.68) 68.82,48.75 69.47,48.75 arc(69.57,48.72) JP36.3 arc(69.63,48.64) 69.59,48.64 ; JP12.3 52.64,11.92 arc(52.69,11.93) 52.73,11.96 ; JP7.3 11.56,11.34 v3(11.57,11.33) ; JP9.3 22.97,11.73 arc(23.28,11.79) 23.54,11.96 ; 83.32,11.97 81.36,11.97 arc(81.23,11.99) JP22.3 ; JP11.3 v3(36.37,11.96) ; JP23.3 99.1,47.94 arc(99.09,47.94) v2(99.08,47.95) ; v2(108.83,44.92) 109.46,44.29 arc(110.1,43.86) JP24.3 ; JP22.3 arc(81.15,12.05) 81.18,12.04 ; JP22.3 arc(81.25,11.98) 81.41,11.95
  Bottom w0.5: 21.24,11.96 23.55,11.96 v3(23.56,11.97) 23.57,11.96 v3(36.37,11.96) 52.73,11.96 v3(52.74,11.95) v3(69.27,11.94) 69.29,11.96 v3(83.31,11.95) ; 21.24,11.96 13.1,11.96 arc(12.27,11.8) v3(11.57,11.33) ; 21.24,11.96 21.24,14.61 arc(21.76,17.24) 23.25,19.47 23.76,19.97 arc(24.57,21.19) 24.86,22.63 v3(24.86,30.32) ; v3(36.47,46.49) 66.91,46.49 arc(67.22,46.55) 67.49,46.73 arc(67.57,46.85) 67.6,46.99 v3(67.6,47.9) arc(67.66,47.94) 67.73,47.95 v2(83.68,47.95) v2(99.08,47.95) 101.5,47.95 arc(105.47,47.16) v2(108.83,44.92)
+10V: length 26.5
  Top w0.5: JP35.3 53.84,48.85 arc(53.3,48.74) 52.85,48.44 arc(52.71,48.22) v3(52.66,47.98) ; v3(37.37,47.93) JP33.3 arc(39.6,47.64) 39.67,47.3 R101.2 arc(39.64,43.3) 39.6,43.29 39.19,43.29 ; 39.19,43.29 C80.1 ; 39.19,43.29 39.19,41.96 arc(39.18,41.93) IC2.5
  Bottom w0.5: v3(52.66,47.98) 37.42,47.98
+12V: length 13.4
  Top w0.2: J1.4 109.36,31.87 arc(109.03,32.37) 108.91,32.96 arc(108.65,34.27) 107.91,35.38 104.37,38.92 arc(103.77,39.32) R5.1
GND: length 19.4
  Top w0.15: 64.19,21.08 v3(64.1,20.99)
  Top w0.2: v1(59.86,20.88) 60.02,20.72 C49.2 61.53,20.72 C46.2 arc(61.82,20.51) 62.14,20.45 U9.28 ; 3V3LED1.1 12.49,32.41 v1(12.5,32.42) ; v1(69.5,20.51) C45.2 C39.1 arc(67.89,20.46) 67.82,20.45 U9.13 ; v1(105.35,11.42) 105.38,11.4 R66.2 ; USBLED1.1 111.64,17 v1(111.65,17.01) ; 107.72,14.85 v1(108.55,14.85) ; U5.14 35.18,39.09 v1(35.2,39.07) ; U9.22 64.19,21.08 ; U10.22 65.62,36.78 arc(65.63,36.67) 65.66,36.57 65.78,36.44 v1(65.78,36.39) ; U10.13 62.07,39.5 arc(61.91,39.53) C40.1 ; R67.1 v1(108.45,11.47) ; 67.02,38.29 67.01,38.29
  Top w0.25: U10.28 67.64,39.5 ; 98.04,25.81 98.03,25.8 ; v2(96.64,29.76) 96.64,29.04 U7.4 ; 61.43,23.89 61.43,23.83 arc(61.55,23.21) C41.2 62.7,21.88 arc(62.77,21.78) U9.25
  Top w0.36: 98.04,26.94 98.04,25.81
  Top w0.4: U6.1 93.89,29.44 v1(93.95,29.5)
  vias: v1(5,31.17) v1(8.5,38.3) v1(9.68,46.4) v1(12.66,48.9) v1(13.15,24.1) v1(13.12,23.3) v1(13.12,22.49) v1(13.12,21.59) v1(13.25,24.9) v1(13.35,20.8) v1(13.55,25.6) v1(14.05,26.2) v1(14.04,22.19) v1(14.25,20.8) v1(14.7,44.57) v1(14.86,26.33) v1(15.15,20.8) v1(15.29,38.42) v1(15.26,24.9) v1(15.57,26.34) v1(16.28,26.15) v1(16.29,25.41) v1(16.29,24.7) v1(16.26,23.99) v1(16.62,46.52) v1(17.3,28.04) v1(19.74,49.08) v1(20.67,18.92) v1(22.11,38.57) v1(23.33,46.62) v1(25.64,31.8) v1(26.48,49.05) v1(27.17,27.87) v1(27.55,24.6) v1(28.38,44.9) v1(28.97,38.51) v1(30.22,46.57) v1(32.2,31.84) v1(33.12,31.84) v1(33.23,49.11) v1(34.05,31.84) v1(35.07,29.04) v1(35.08,28.08) v1(35.17,44.82) v1(36.59,27.3) v1(36.59,26.36) v1(37.81,31.77) v1(39,22.91) v1(39.86,29.69) v1(40.56,38.38) v1(41.05,22.94) v1(41.51,38.37) v1(42.1,40.42) v1(43.54,38.96) v1(44.68,49.34) v1(44.97,37.76) v1(46.23,42.81) v1(47.34,33.82) v1(48.32,40.63) v1(49.65,33.82) v1(49.98,51.15) v1(61.28,40.1) v1(61.89,18.01) v1(68.3,35.63) v1(70.33,39.26) v1(75.12,52.54) v1(75.13,42.85) v1(79.03,51.06) v1(89.88,49.15) v1(90.16,36.39) v1(90.17,35.11) v1(92.02,27.6) v1(92.38,19.09) v1(96.96,15.72) v1(101.95,31.5) v1(103.55,35.8) v1(103.53,35.21) v2(15.27,10.62) v2(18.2,18.04) v2(19.23,16.24) v2(23.5,36.87) v2(25.6,36.88) v3(0.69,45.94) v3(0.67,37.25) v3(0.7,8.58) v3(0.79,52.62) v3(0.71,49.27) v3(0.73,41.61) v3(0.71,33.4) v3(0.8,22.95) v3(0.81,15.84) v3(0.94,29.57) v3(7.11,59.34) v3(7.11,0.8) v3(12.37,13.89) v3(14.6,59.34) v3(14.61,0.8) v3(19.42,7.24) v3(20.69,26.15) v3(20.69,24.54) v3(20.69,22.96) v3(21.79,59.26) v3(22.28,26.15) v3(22.25,24.54) v3(22.21,0.76) v3(22.31,22.96) v3(23.88,26.15) v3(23.88,24.55) v3(23.87,22.96) v3(28.92,59.32) v3(29.48,36.19) v3(30.27,0.76) v3(30.84,7.62) v3(36.29,59.25) v3(37.89,0.73) v3(43.61,59.24) v3(45.87,0.82) v3(51.26,59.26) v3(53.6,0.8) v3(57.08,31.17) v3(58.89,26.49) v3(59.27,59.31) v3(61.53,0.71) v3(63.25,10.8) v3(63.44,32.65) v3(64.26,38.96) v3(64.35,40.3) v3(65.58,21.01) v3(65.85,40.3) v3(65.87,39.04) v3(66.74,59.32) v3(69.51,0.78) v3(74.41,59.24) v3(76.38,37) v3(77.85,0.8) v3(82.11,14.52) v3(82.34,59.21) v3(83.2,10.67) v3(84.37,0.8) v3(87.97,24.41) v3(90.04,59.28) v3(92.62,0.86) v3(97.86,59.17) v3(101.19,0.76) v3(102.58,27.95) v3(102.58,26.81) v3(105.19,46.17) v3(105.54,28) v3(105.54,26.78) v3(105.73,59.28) v3(106.68,0.82) v3(108.5,41.34) v3(112.44,42.79) v3(112.62,0.78) v3(112.75,59.22) v3(119.18,40.47) v3(119.18,17.79) v3(119.16,12.18) v3(119.21,52.91) v3(119.21,47.7) v3(119.22,33.63) v3(119.27,7.33) v4(23.9,18.19) v4(28.44,12.74) v4(47.19,13.96) v4(91.16,47.19) v4(93.75,20.77) v5(106.36,31.39)
VBUS: length 47.4
  Top w0.25: 105.26,5.33 104.28,6.31 J15.A4 ; J15.A9 109.08,6.31 108.1,5.33 ; 106,16.78 106,17.01 R68.1
  Top w0.4: U6.3 92.89,30.06 v3(92.85,30.1)
  Top w0.5: 106,16.5 106,17.7 arc(105.86,18.42) 105.45,19.03 105.01,19.47 arc(104.5,19.81) 103.9,19.93 102.47,19.93 arc(99.17,20.58) 96.37,22.45 94.66,24.16 v3(94.66,24.19) 94.63,24.19 94.64,24.18 arc(94.64,24.18) 94.64,24.19 94.24,24.59 arc(94,24.94) 93.92,25.36 ; 106,16.5 104.21,16.5 arc(104.14,16.48) TP_VBUS1.1 ; 106,16.5 106,14.85 105.16,14.85 arc(103.97,14.61) 102.97,13.94 102.94,13.91 arc(102.52,13.28) 102.38,12.54 102.38,12.32 arc(102.49,11.74) 102.81,11.26 103.5,10.57 arc(104.08,9.71) 104.28,8.69 J15.A4 ; 105.26,5.33 108.1,5.33
  Bottom w0.5: v3(92.85,30.1) 92.85,29.37 94.24,27.98 arc(94.54,27.53) 94.64,27.01 94.64,24.19
